# KiCad board imx8x_eps_leviathan.kicad_pcb (continued)
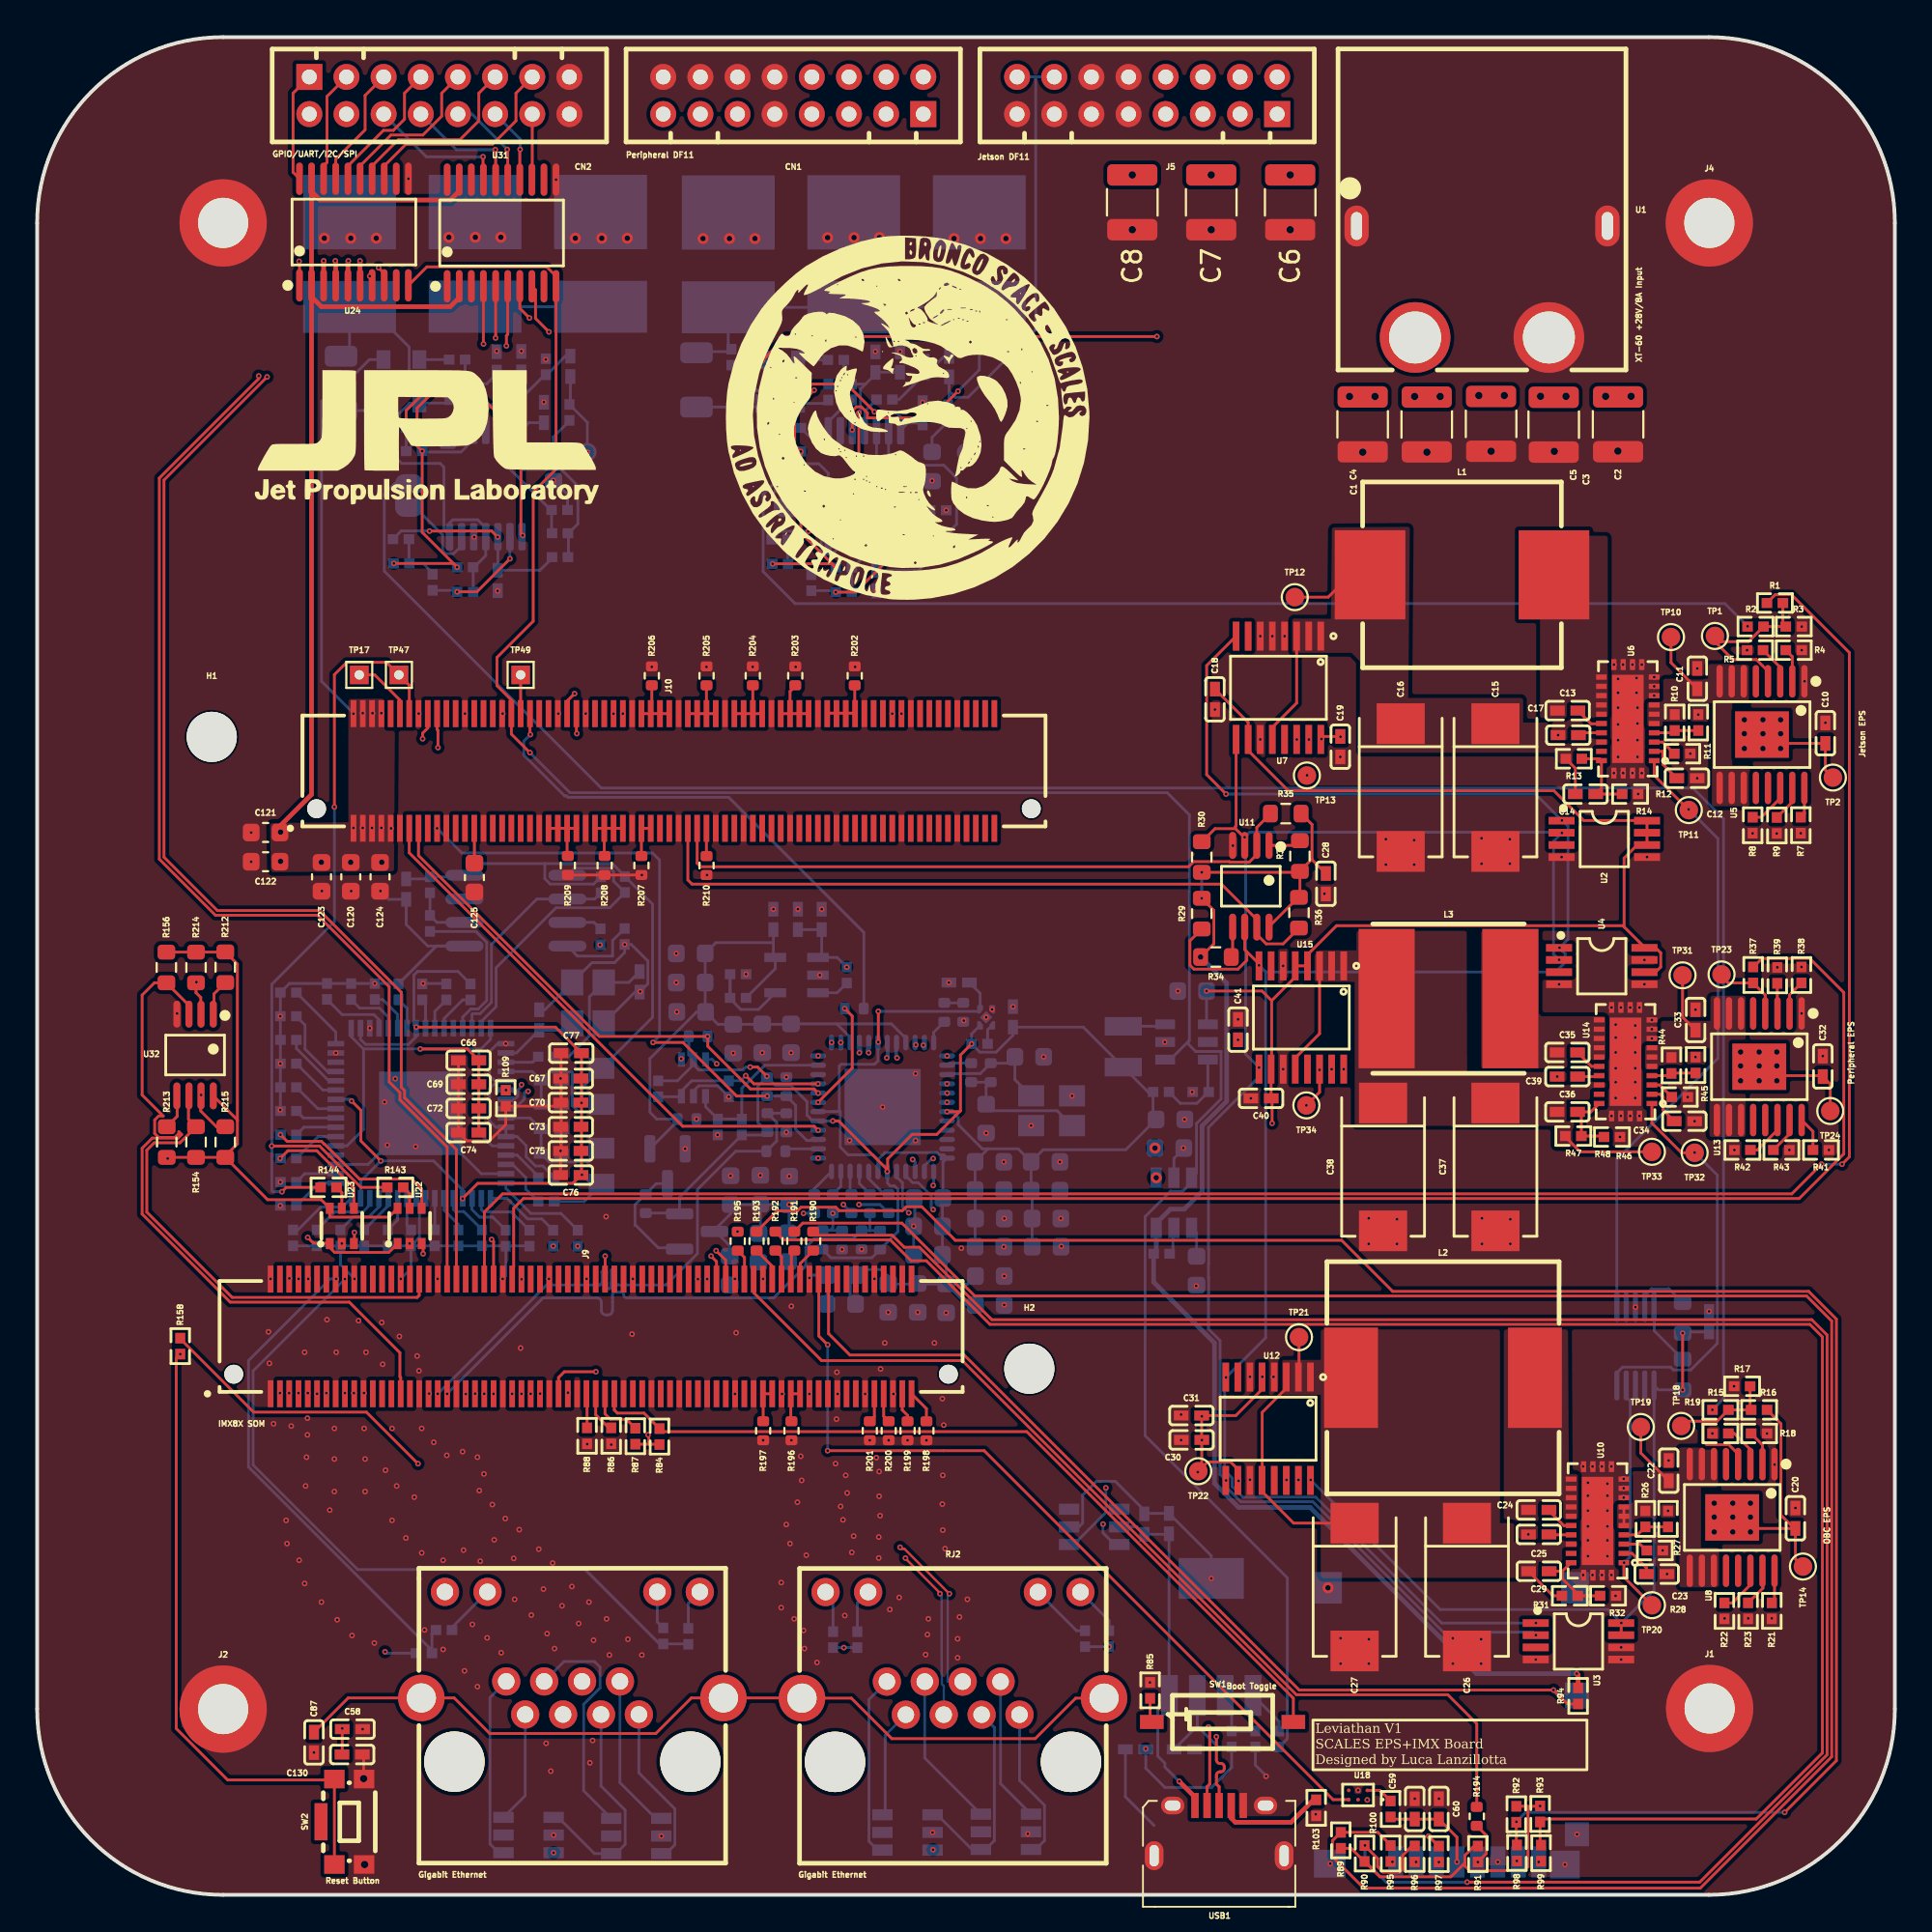
[diagram p0: board, top side]
## Placement (name value [footprint] x y rotation side) (continued)
R192  22  [R_0402_1005Metric]  39.74 35.19 270 top
R193  22  [R_0402_1005Metric]  38.73 35.19 270 top
R194  22  [R_0402_1005Metric]  77.5 4.22 90 top
R195  22  [R_0402_1005Metric]  37.71 35.19 270 top
R196  10k  [R_0402_1005Metric]  40.61 24.98 90 top
R197  10k  [R_0402_1005Metric]  39.08 24.98 90 top
R198  10k  [R_0402_1005Metric]  47.87 24.98 90 top
R199  10k  [R_0402_1005Metric]  46.85 24.98 90 top
R200  10k  [R_0402_1005Metric]  45.84 24.98 90 top
R201  10k  [R_0402_1005Metric]  44.82 24.98 90 top
R202  10k  [R_0402_1005Metric]  44.01 65.62 270 top
R203  10k  [R_0402_1005Metric]  40.81 65.62 270 top
R204  10k  [R_0402_1005Metric]  38.52 65.62 270 top
R205  10k  [R_0402_1005Metric]  36.03 65.62 270 top
R206  10k  [R_0402_1005Metric]  33.09 65.62 270 top
R207  10k  [R_0402_1005Metric]  32.53 55.41 90 top
R208  10k  [R_0402_1005Metric]  30.55 55.41 90 top
R209  10k  [R_0402_1005Metric]  28.57 55.41 90 top
R210  10k  [R_0402_1005Metric]  36.03 55.41 90 top
R211  1k  [R0402]  60.53 34.51 0 bottom
R212  10k  [R_0603_1608Metric]  10.13 49.93 270 top
R213  10k  [R_0603_1608Metric]  6.98 40.52 90 top
R214  10k  [R_0603_1608Metric]  8.55 49.92 270 top
R215  10k  [R_0603_1608Metric]  10.13 40.52 90 top
RJ1  RJHSE5384  [RJ45-TH_RJHSE5384]  28.81 13.01 0 top
RJ2  RJHSE5384  [RJ45-TH_RJHSE5384]  49.3 13 0 top
SW1  SW_DIP_x01  [SW-SMD_1.27-1P-TPPT]  63.81 9.31 270 top
SW2  KMR221GLFS  [KEY-SMD_KMR2XXGXXX]  16.44 3.93 90 top
TP1  TestPoint  [TestPoint_Pad_D1.0mm]  90.32 67.77 0 top
TP2  TestPoint  [TestPoint_Pad_D1.0mm]  96.67 60.14 0 top
TP10  TestPoint  [TestPoint_Pad_D1.0mm]  87.95 67.71 0 top
TP11  TestPoint  [TestPoint_Pad_D1.0mm]  88.91 58.39 0 top
TP12  TestPoint  [TestPoint_Pad_D1.0mm]  67.7 69.86 0 top
TP13  TestPoint  [TestPoint_Pad_D1.0mm]  68.35 60.26 0 top
TP14  TestPoint  [TestPoint_Pad_D1.0mm]  95.05 17.67 270 top
TP17  TestPoint  [TestPoint_THTPad_1.0x1.0mm_Drill0.5mm]  17.34 65.67 0 top
TP18  TestPoint  [TestPoint_Pad_D1.0mm]  88.5 25.24 270 top
TP19  TestPoint  [TestPoint_Pad_D1.0mm]  86.33 25.18 180 top
TP20  TestPoint  [TestPoint_Pad_D1.0mm]  86.93 15.59 180 top
TP21  TestPoint  [TestPoint_Pad_D1.0mm]  67.93 30.02 0 top
TP22  TestPoint  [TestPoint_Pad_D1.0mm]  62.5 22.8 0 top
TP23  TestPoint  [TestPoint_Pad_D1.0mm]  90.67 49.55 0 top
TP24  TestPoint  [TestPoint_Pad_D1.0mm]  96.52 42.2 0 top
TP31  TestPoint  [TestPoint_Pad_D1.0mm]  88.57 49.5 0 top
TP32  TestPoint  [TestPoint_Pad_D1.0mm]  89.22 39.95 0 top
TP33  TestPoint  [TestPoint_Pad_D1.0mm]  86.92 40 0 top
TP34  TestPoint  [TestPoint_Pad_D1.0mm]  68.32 42.5 0 top
TP36  TestPoint  [TestPoint_Pad_D1.0mm]  29.62 77.66 0 bottom
TP42  TestPoint  [TestPoint_Pad_D1.0mm]  50 77.65 0 bottom
TP47  TestPoint  [TestPoint_THTPad_1.0x1.0mm_Drill0.5mm]  19.47 65.67 0 top
TP49  TestPoint  [TestPoint_THTPad_1.0x1.0mm_Drill0.5mm]  26.03 65.67 0 top
TV1  SRV05-4.TCT  [SOT-23-6_L2.9-W1.6-P0.95-LS2.8-BR]  56.9 19.81 180 bottom
TV2  SRV05-4.TCT  [SOT-23-6_L2.9-W1.6-P0.95-LS2.8-BR]  32.25 3.17 0 bottom
TV3  SRV05-4.TCT  [SOT-23-6_L2.9-W1.6-P0.95-LS2.8-BR]  26.45 3.22 0 bottom
TV4  SRV05-4.TCT  [SOT-23-6_L2.9-W1.6-P0.95-LS2.8-BR]  52.15 3.39 0 bottom
TV5  SRV05-4.TCT  [SOT-23-6_L2.9-W1.6-P0.95-LS2.8-BR]  46.85 3.36 0 bottom
U1  XT60PW-F_C428722  [TH_2P-XT60PW-F]  77.78 86.83 0 top
U2  MCP9808T-E/MS  [MSOP-8_L3.0-W3.0-P0.65-LS4.9-BL]  84.36 56.84 270 top
U3  MCP9808T-E/MS  [MSOP-8_L3.0-W3.0-P0.65-LS4.9-BL]  82.97 13.65 270 top
U4  MCP9808T-E/MS  [MSOP-8_L3.0-W3.0-P0.65-LS4.9-BL]  84.22 50 270 top
U5  TPS1HB08BQPWPRQ1  [HTSSOP-16_L5.0-W4.4-P0.65-LS6.4-TL-EP2.9]  92.85 62.46 270 top
U6  LT8612EUDE#PBF  [QFN-28_L6.0-W3.0-P0.50-BL-EP]  85.63 63.3 90 top
U7  INA260AIPWR  [TSSOP-16_L5.0-W4.4-P0.65-LS6.4-BL-1]  66.82 64.98 180 top
U8  TPS1HB08BQPWPRQ1  [HTSSOP-16_L5.0-W4.4-P0.65-LS6.4-TL-EP2.9]  91.24 20.32 270 top
U9  LTC6902  [MSOP-10_L3.0-W3.0-P0.50-LS5.0-BL]  86.04 29.53 180 bottom
U10  LT8612EUDE#PBF  [QFN-28_L6.0-W3.0-P0.50-BL-EP]  83.99 20.13 90 top
U11  TCA4307DGKR  [VSSOP-8_L3.0-W3.0-P0.65-LS4.9-BL]  65.33 54.29 180 top
U12  INA260AIPWR  [TSSOP-16_L5.0-W4.4-P0.65-LS6.4-BL-1]  66.26 25.09 180 top
U13  TPS1HB08BQPWPRQ1  [HTSSOP-16_L5.0-W4.4-P0.65-LS6.4-TL-EP2.9]  92.7 44.58 270 top
U14  LT8612EUDE#PBF  [QFN-28_L6.0-W3.0-P0.50-BL-EP]  85.5 44.85 90 top
U15  INA260AIPWR  [TSSOP-16_L5.0-W4.4-P0.65-LS6.4-BL-1]  68.05 47.23 180 top
U16  TLV1704  [TSSOP-14_4.4x5mm_P0.65mm]  24.15 75.97 270 bottom
U17  TLV1704  [TSSOP-14_4.4x5mm_P0.65mm]  44.54 75.95 270 bottom
U18  BD2204GUL-E2  [BGA-6_L1.5-W1.0-P0.50_BD2204GUL-E2]  71.11 5.37 180 top
U19  CAT93C66VI-GT3  [SOIC-8_L4.9-W3.9-P1.27-LS6.0-BL]  25.77 52.98 270 bottom
U20  FT2232HL  [QFN-64_L9.0-W9.0-P0.50-TL-EP4.3]  20.66 42.07 180 bottom
U21  LP38693MP-ADJ/NOPB  [SOT-223-5_L6.5-W3.5-P1.50-LS7.0-BL]  63.2 13.88 180 bottom
U22  TXS0101DCKR  [SC-70-6_L2.0-W1.3-P0.65-LS2.1-BR]  20.05 36.01 270 top
U23  TXS0101DCKR  [SC-70-6_L2.0-W1.3-P0.65-LS2.1-BR]  16.4 36.01 270 top
U24  TXS0108EPWR  [TSSOP-20_L6.5-W4.4-P0.65-LS6.4-BL]  17.05 89.51 0 top
U25  DP83867CRRGZR  [VQFN-48_L7.0-W7.0-P0.50-BL-EP4.1]  45.51 42.41 0 bottom
U26  MCP1824T-ADJE/OT  [SOT-23-5_L3.0-W1.7-P0.95-LS2.8-BL]  40.88 49.51 270 bottom
U27  TLV71310PDQNR  [X2SON-4_L1.0-W1.0-P0.65-TL-EP]  51.08 47.24 270 bottom
U28  74LVC2G07GW  [SOT-363_L2.1-W1.3-P0.65-LS2.2-BL]  35.33 43.98 180 bottom
U29  TPS22917DBVR  [SOT-23-6_L2.9-W1.6-P0.95-LS2.8-BR]  61.19 37.25 90 bottom
U30  TLV62569PDDCR  [SOT-23-6_L2.9-W1.6-P0.95-LS2.8-BL]  61.87 45.91 90 bottom
U31  TXS0108EPWR  [TSSOP-20_L6.5-W4.4-P0.65-LS6.4-BL]  25 89.46 0 top
U32  TCA4307DGKR  [VSSOP-8_L3.0-W3.0-P0.65-LS4.9-BL]  8.5 45.21 180 top
USB1  10118194-0001LF  [MICRO-USB-SMD_10118194-0001LF]  63.63 3.46 0 top
Y1  12MHz  [CRYSTAL-SMD_4P-L3.2-W2.5-BL]  29.65 48.02 270 bottom
Y3  25MHz  [CRYSTAL-SMD_4P-L3.2-W2.5-BL-2]  54.61 42.21 0 bottom

## Library data of the parts
C1-C8 = -: Description: Unpolarized capacitor; LCSC: C2918502; Voltage Rating: +50v; ki_fp_filters: C_*
C10 C20 C32 = -: Description: Unpolarized capacitor; Voltage Rating: +50v; LCSC: C5159775; ki_fp_filters: C_*
C11 C22 C33 = -: Description: Unpolarized capacitor; Voltage Rating: +50v; LCSC: C77023; ki_fp_filters: C_*
C12 = -: Description: Unpolarized capacitor; LCSC: C14445; Voltage Rating: +10V; ki_fp_filters: C_*
C13 C17-C19 C21 C24 C28-C31 C35 C39-C41 C130 = -: Description: Unpolarized capacitor; Voltage Rating: +50v; LCSC: C85858; ki_fp_filters: C_*
C14 C25 C36 = -: Description: Unpolarized capacitor; Voltage Rating: +50v; LCSC: C1545; ki_fp_filters: C_*
C15 C16 C26 C27 C37 C38 = -: Description: Unpolarized capacitor; Voltage Rating: +35v; LCSC: C87110; ki_fp_filters: C_*
C23 C34 = -: Description: Unpolarized capacitor; LCSC: C1623; Voltage Rating: +25V; ki_fp_filters: C_*
C42-C44 C50-C52 = -: LCSC Part: C2158793
C45-C49 C53 C56 C57 = -: Description: Unpolarized capacitor, small symbol; LCSC: 194427; ki_fp_filters: C_*
C54 C55 = -: Description: Unpolarized capacitor, small symbol; ki_fp_filters: C_*
C58 C63 C64 C69-C75 C77 C79 C81-C86 = -: Description: Unpolarized capacitor; LCSC: C1525; ki_fp_filters: C_*
C59 C60 = -: Description: Unpolarized capacitor; ki_fp_filters: C_*
C61 C62 C66 C67 C76 = -: Description: Unpolarized capacitor; LCSC: C23733; ki_fp_filters: C_*
C65 C68 = -: Description: Unpolarized capacitor; LCSC: C1547; ki_fp_filters: C_*
C78 = -: Description: Unpolarized capacitor; LCSC: C72203; ki_fp_filters: C_*
C80 = -: Description: Unpolarized capacitor; LCSC: C14445; ki_fp_filters: C_*
C87 = -: Description: Unpolarized capacitor; LCSC: C1524; ki_fp_filters: C_*
C88 C89 = -: Description: Unpolarized capacitor, small symbol; LCSC: C1647; Voltage: 50V; ki_fp_filters: C_*
C90 C91 C95-C97 C101 C102 C107 C108 C113 C116 = -: Description: Unpolarized capacitor, small symbol; LCSC: C1592; Voltage: 10V; ki_fp_filters: C_*
C92-C94 C98-C100 C104 C105 C109 C114 C117 C124 = -: Description: Unpolarized capacitor, small symbol; LCSC: C1590; Voltage: 16V; ki_fp_filters: C_*
C103 C110 C112 C118 = -: Description: Unpolarized capacitor, small symbol; LCSC: C1589; Voltage: 50V; ki_fp_filters: C_*
C106 C111 C115 C119 = -: Description: Unpolarized capacitor, small symbol; LCSC: C1691; Voltage: 16V; ki_fp_filters: C_*
C120 C121 = -: Description: Unpolarized capacitor, small symbol; LCSC: C29519229; Voltage: 25V; ki_fp_filters: C_*
C122 C123 = -: Description: Unpolarized capacitor, small symbol; LCSC: C1705; Voltage: 10V; ki_fp_filters: C_*
C125 = -: Description: Unpolarized capacitor, small symbol; LCSC: C1606; ki_fp_filters: C_*
C126 = -: Description: Unpolarized capacitor; LCSC: C1592; ki_fp_filters: C_*
C127 = -: Description: Unpolarized capacitor; LCSC: C140782; ki_fp_filters: C_*
C128 = -: Description: Unpolarized capacitor; LCSC: C1705; ki_fp_filters: C_*
C129 = -: Description: Unpolarized capacitor; LCSC: C1691; ki_fp_filters: C_*
Card1 = -: Datasheet: https://lcsc.com/product-detail/SD-Card-Memory-Card-Connector_MOLEX-5027740891_C330255.html?s_z=n_TF-SMD_5027740891; LCSC Part: C330255
CN1 = -: Datasheet: https://lcsc.com/product-detail/Wire-To-Board-Wire-To-Wire-Connector_HRS-Hirose-HRS-DF11-16DP-2DSA-08_C530981.html; Description: Hirose 2x8 Connector, Drop in replacement for Gecko; LCSC Part: C530981
CN2 = -: Datasheet: https://lcsc.com/product-detail/Wire-To-Board-Wire-To-Wire-Connector_HRS-Hirose-HRS-DF11-16DP-2DSA-08_C530981.html; Description: DF11 Connector; LCSC Part: C530981
D4 D6 D7 D9 = -: Datasheet: https://lcsc.com/product-detail/Others_Diodes-Incorporated_1N4448WS-7-F_Diodes-Incorporated-1N4448WS-7-F_C260859.html; Description: Diode; DPN: 112-1N4151WS-E3-08CT-ND; DST: Digi-Key; MFR: Vishay; MPN: 1N4151WS-E3-08; Sim.Device: D; Sim.Pins: 1=K 2=A; LCSC: C2979762; LCSC Part: C260859
D5 D8 = -: Description: Light emitting diode, small symbol, filled shape; DPN: 732-4971-1-ND; DST: Digi-Key; MFR: Wurth; MPN: 150060GS75000; Sim.Pins: 1=K 2=A; LCSC: C965799; ki_fp_filters: LED* LED_SMD:* LED_THT:*
H1 H2 = -: Description: Mounting Hole without connection; ki_fp_filters: MountingHole*
J1-J4 = -: Description: Mounting Hole with connection; ki_fp_filters: MountingHole*Pad*
J5 = -: Datasheet: https://lcsc.com/product-detail/Wire-To-Board-Wire-To-Wire-Connector_HRS-Hirose-HRS-DF11-16DP-2DSA-08_C530981.html; Description: Hirose 2x8 Connector, Drop in replacement for Gecko; MANUFACTURER: HARWIN; LCSC Part: C530981
J9 J10 = -: Datasheet: https://www.samtec.com/products/bth-070-02-l-d-a-k-tr#cadmodels; Description: IMX8 SOM Connector; PARTREV: R; STANDARD: Manufacturer Recommendations; MANUFACTURER: Samtec
JP1 JP2 = -: Description: Solder Jumper, 2-pole, open; ki_fp_filters: SolderJumper*Open*
L1 = -: Description: Inductor; LCSC: C2880058; ki_fp_filters: Choke_* *Coil* Inductor_* L_*
L2 = -: Description: Inductor; LCSC: C3040409; ki_fp_filters: Choke_* *Coil* Inductor_* L_*
L3 = -: Description: Inductor; LCSC: C2849554; ki_fp_filters: Choke_* *Coil* Inductor_* L_*
L4 L5 = -: Description: Inductor; LCSC: C1017; ki_fp_filters: Choke_* *Coil* Inductor_* L_*
L6 = -: Description: Inductor; LCSC Part: C5349606; ki_fp_filters: Choke_* *Coil* Inductor_* L_*
Q1 = -: Datasheet: https://www.infineon.com/dgdl/irlml6401pbf.pdf?fileId=5546d462533600a401535668b96d2634; Description: -4.3A Id, -12V Vds, 50mOhm Rds, P-Channel HEXFET Power MOSFET, SOT-23; LCSC: C3034; ki_fp_filters: SOT?23*
Q2 = -: Datasheet: https://www.onsemi.com/pub/Collateral/BSS138-D.PDF; Description: 50V Vds, 0.22A Id, N-Channel MOSFET, SOT-23; LCSC: C52895; ki_fp_filters: SOT?23*
R1-R3 R5 R7-R9 R19 R37 R39 R41-R43 = -: Description: Resistor, US symbol; LCSC: C114761; ki_fp_filters: R_*
R4 R18 R38 R58 R60 R76 R78 = -: Description: Resistor, US symbol; LCSC: C106235; ki_fp_filters: R_*
R6 = -: Description: Resistor, US symbol; LCSC: C25764; ki_fp_filters: R_*
R10 R26 R44 = -: Description: Resistor, US symbol; LCSC: C93943; ki_fp_filters: R_*
R11 R27 R45 = -: Description: Resistor, US symbol; LCSC: C60488; ki_fp_filters: R_*
R12 R28 R46 = -: Description: Resistor, US symbol; LCSC: C138065; ki_fp_filters: R_*
R13 = -: Description: Resistor, US symbol; LCSC: C2077051; ki_fp_filters: R_*
R14 R17 R50-R53 R56 R57 R68-R71 R74 R75 = -: Description: Resistor, US symbol; LCSC: C25531; ki_fp_filters: R_*
R15 R16 = -: Description: Resistor, US symbol; LCSC: C54968; ki_fp_filters: R_*
R20 = -: Description: Resistor, US symbol; LCSC: C25741; ki_fp_filters: R_*
R21-R23 = -: Description: Resistor, US symbol; LCSC: C25756; ki_fp_filters: R_*
R24 = -: Description: Resistor, US symbol; LCSC: C2930066; ki_fp_filters: R_*
R25 = -: Description: Resistor, US symbol; LCSC: C137788; ki_fp_filters: R_*
R29 R30 R33-R36 R154 R156 R212-R215 = -: Description: Resistor, US symbol; LCSC: C99782; ki_fp_filters: R_*
R31 = -: Description: Resistor, US symbol; LCSC: C138029; ki_fp_filters: R_*
R32 = -: Description: Resistor, US symbol; LCSC: C60491; ki_fp_filters: R_*
R47 = -: Description: Resistor, US symbol; LCSC: C25766; ki_fp_filters: R_*
R48 = -: Description: Resistor, US symbol; LCSC: C477765; ki_fp_filters: R_*
R49 R66 = -: Description: Resistor, small US symbol; DPN: RHM10.0AFCT-ND; DST: Digi-Key; MFR: Rohm Semiconductor; MPN: ESR18EZPF10R0; LCSC: C17903; ki_fp_filters: R_*
R54 R55 R72 R73 = -: Description: Resistor, US symbol; LCSC: C2909355; ki_fp_filters: R_*
R59 R61 R62 R64 R65 R67 R77 R79 R80 R82 R83 = -: Description: Resistor, US symbol; LCSC: C269673; ki_fp_filters: R_*
R63 R81 = -: Description: Resistor, US symbol; LCSC: C474132; ki_fp_filters: R_*
R84-R88 R90-R94 R102-R107 R110 R112 R115-R127 R130-R146 R148 R149 R151 R159 R161 R165 R169-R174 R176 R177 R179 R185 R188 R196-R211 = -: Description: Resistor, US symbol; ki_fp_filters: R_*
R89 = -: Description: Resistor, US symbol; LCSC: C25897; ki_fp_filters: R_*
R95-R99 R113 R114 R128 R129 R160 R164 R190-R195 = -: Description: Resistor, US symbol; LCSC: C25092; ki_fp_filters: R_*
R100 = -: Description: Resistor, US symbol; LCSC: C2001; ki_fp_filters: R_*
R108 R158 R167 = -: Description: Resistor, US symbol; LCSC: C4109; ki_fp_filters: R_*
R109 = -: Description: Resistor, US symbol; LCSC: C25752; ki_fp_filters: R_*
R111 R163 = -: Description: Resistor, US symbol; LCSC: C2011; ki_fp_filters: R_*
R147 = -: Description: Resistor, US symbol; LCSC: C25857; ki_fp_filters: R_*
R150 R153 R162 R166 R180-R182 R184 R187 = -: Description: Resistor, US symbol; LCSC: C25884; ki_fp_filters: R_*
R152 R183 R186 = -: Description: Resistor, US symbol; LCSC: C11590; ki_fp_filters: R_*
R155 = -: Description: Resistor, US symbol; LCSC: C95596; ki_fp_filters: R_*
R157 = -: Description: Resistor, US symbol; LCSC: C11788; ki_fp_filters: R_*
R168 = -: Description: Resistor, US symbol; LCSC: C26083; ki_fp_filters: R_*
R175 = -: Description: Resistor, US symbol; LCSC: C25076; ki_fp_filters: R_*
R189 = -: Description: Resistor, US symbol; LCSC: C25539; ki_fp_filters: R_*
RJ1 RJ2 = -: Datasheet: https://jlcpcb.com/partdetail/AmphenolIcc-RJHSE5384/C464587; LCSC Part: C464587
SW1 = -: Description: 1x DIP Switch, Single Pole Single Throw (SPST) switch, small symbol; LCSC: C7471372; ki_fp_filters: SW?DIP?x1*
SW2 = -: Datasheet: https://lcsc.com/product-detail/Others_C-K-KMR221GLFS_C72443.html; LCSC Part: C72443
TP1 TP2 TP10-TP14 TP17-TP24 TP31-TP34 TP36 TP42 TP47 TP49 = -: Description: test point; ki_fp_filters: Pin* Test*
TV1-TV5 = -: Datasheet: https://lcsc.com/product-detail/TVS_SEMTECH_SRV05-4-TCT_SRV05-4-TCT_C13612.html; Description: Surge Protection Diodes; LCSC Part: C13612
U1 = -: LCSC Part: C428722
U2-U4 = -: Datasheet: https://lcsc.com/product-detail/Temperature-Sensors_MICROCHIP_MCP9808T-E-MS_MCP9808T-E-MS_C129490.html; LCSC Part: C129490
U5 U8 U13 = -: Datasheet: https://www.ti.com/lit/ds/symlink/tps1ha08-q1.pdf?ts=1748448912035&ref_url=https%253A%252F%252Fwww.ti.com%252Fproduct%252FTPS1HA08-Q1; Description: 40-V, 8-mΩ Single-Channel Smart High-Side Switch; LCSC Part: C3230075
U6 U10 U14 = -: Datasheet: https://jlcpcb.com/api/file/downloadByFileSystemAccessId/8589836477510287360; Description: 42V, 6A, Step Down Regulator; LCSC Part: C580312
U7 U12 U15 = -: Datasheet: https://www.ti.com/lit/ds/symlink/ina260.pdf?ts=1748375218606&ref_url=https%253A%252F%252Fwww.google.com%252F; Description: Precision Digital Current and Power Monitor With Low-Drift, Precision Integrated Shunt; LCSC Part: C2155885
U9 = -: Datasheet: https://www.analog.com/media/en/technical-documentation/data-sheets/6902f.pdf; Description: Multiphase Oscillator with Spread Spectrum Frequency Modulation; LCSC: C581012; LCSC Part: C581014
U11 U32 = -: Datasheet: https://www.ti.com/general/docs/suppproductinfo.tsp?distId=10&gotoUrl=https%3A%2F%2Fwww.ti.com%2Flit%2Fgpn%2Ftca4307; Description: I2C Buffer; LCSC Part: C880333
U16 U17 = -: Datasheet: https://www.ti.com/lit/ds/symlink/tlv1704-sep.pdf; Description: Analog Comparators 2.2-V to 36-V, radiation tolerant microPower quad comparator in space enhanced plastic 14-TSSOP -55 to 125; MFR: Texas Instruments; MPN: TLV1704AQPWRQ1; DST: Digi-Key; DPN: 296-43799-2-ND; LCSC: C181596; ki_fp_filters: SOIC*3.9x8.7mm*P1.27mm* TSSOP*4.4x5mm*P0.65mm*
U18 = -: Datasheet: https://lcsc.com/product-detail/Power-Distribution-Switches_ROHM-Semicon-BD2204GUL-E2_C314699.html?s_z=n_BD2204GUL-E2; LCSC Part: C314699
U19 = -: Datasheet: https://jlcpcb.com/parts/componentSearch?searchTxt=C890471; LCSC Part: C890471
U20 = -: Datasheet: https://lcsc.com/product-detail/USB_FTDI_FT2232HL_FT2232HL_C27882.html; LCSC Part: C193662
U21 = -: Datasheet: https://lcsc.com/product-detail/Linear-Voltage-Regulators_TI_LP38693MP-ADJ-NOPB_LP38693MP-ADJ-NOPB_C181420.html; LCSC Part: C181420
U22 U23 = -: Datasheet: https://lcsc.com/product-detail/Logic-ICs_TI_TXS0101DCKR_TXS0101DCKR_C132031.html; Description: 1-Bit Bidirectional Level-Shifting, Voltage-Level Translator With Auto-Direction-Sensing for Open-Drain and Push-Pull Applications; LCSC Part: C132031
U24 U31 = -: Datasheet: https://lcsc.com/product-detail/Interface-ICs_TI_TXS0108EPWR_TXS0108EPWR_C17206.html; LCSC Part: C17206
U25 = -: Datasheet: https://www.ti.com/cn/lit/ds/symlink/dp83867ir.pdf?ts=1748027510532&ref_url=https%253A%252F%252Fjlcpcb.com%252F; LCSC Part: C544766
U26 = -: Datasheet: https://lcsc.com/product-detail/Low-Dropout-Regulators-LDO_MICROCHIP_MCP1824T-ADJE-OT_MCP1824T-ADJE-OT_C145717.html; LCSC Part: C145717
U27 = -: Datasheet: https://www.lcsc.com/product-detail/C2872754.html?s_z=n_C2872754; Description: 65dB Positive Fixed 1V X2-SON-4-EP(1x1) Voltage Regulators - Linear, Low Drop Out (LDO) Regulators ROHS; LCSC Part: C2872754
U28 = -: Datasheet: https://jlcpcb.com/api/file/downloadByFileSystemAccessId/8603378044489261056; LCSC Part: C19829574
U29 = -: Datasheet: https://www.ti.com/lit/ds/symlink/tps22917.pdf?HQS=dis-dk-null-digikeymode-dsf-pf-null-wwe&ts=1761533266122&ref_url=https%253A%252F%252Fwww.ti.com%252Fgeneral%252Fdocs%252Fsuppproductinfo.tsp%253FdistId%253D10%2526gotoUrl%253Dhttps%253A%252F%252Fwww.ti.com%252Flit%252Fgpn%252Ftps22917; LCSC Part: C2681320
U30 = -: Datasheet: https://lcsc.com/product-detail/Pre-ordered-Chips_Texas-Instruments-Texas-Instruments-TLV62569PDDCR_C398365.html; LCSC Part: C398365
USB1 = -: Datasheet: https://lcsc.com/product-detail/USB-Connectors_Amphenol_10118194-0001LF_10118194-0001LF_C132563.html; LCSC Part: C132563
Y1 = -: Description: Four pin crystal, GND on pins 2 and 4; LCSC Part: C9002; ki_fp_filters: Crystal*
Y3 = -: Description: Four pin crystal, GND on pins 2 and 4; LCSC: C13740; ki_fp_filters: Crystal*

## Footprints (pads in the part's own frame, mm; a bottom-side part is the same pattern mirrored in y, then rotated)
BGA-6_L1.5-W1.0-P0.50_BD2204GUL-E2
  round 0.2 smd: A1(-0.5,0.25) A2(0,0.25) A3(0.5,0.25) B1(-0.5,-0.25) B2(0,-0.25) B3(0.5,-0.25)
C0402
  rect 0.79x0.54 smd: 1(-0.55,0) 2(0.55,0)
C_0603_1608Metric
  rrect 0.9x0.95 smd: 1(-0.775,0) 2(0.775,0)
C_1210_3225Metric
  rrect 1.15x2.7 smd: 1(-1.475,0) 2(1.475,0)
CAP-SMD_L7.3-W4.3-FD
  rect 2.19x2.59 smd: 1(-3.44,0) 2(3.44,0)
CAP-SMD_L7.3-W6.1_TCN4227M025R0100
  rect 2.8x5 smd: 1(-2.55,0)
  rect 4x5 smd: 2(2.55,0)
CONN-TH_DF11-16DP-2DSA-08
  rect 1.4x1.4 hole 0.8: 1(7,-1)
  round 1.4 hole 0.8: 2(7,1) 3(5,-1) 4(5,1) 5(3,-1) 6(3,1) 7(1,-1) 8(1,1) 9(-1,-1) 10(-1,1) 11(-3,-1) 12(-3,1) 13(-5,-1) 14(-5,1) 15(-7,-1) 16(-7,1)
CRYSTAL-SMD_4P-L3.2-W2.5-BL
  rect 1.4x1.2 smd: 1(-1.1,-0.85) 2(1.1,-0.85) 3(1.1,0.85) 4(-1.1,0.85)
CRYSTAL-SMD_4P-L3.2-W2.5-BL-2
  rect 1.4x1.15 smd: 1(-1.1,-0.8) 2(1.1,-0.8) 3(1.1,0.8) 4(-1.1,0.8)
HTSSOP-16_L5.0-W4.4-P0.65-LS6.4-TL-EP2.9
  oval 1.75x0.34 smd: 1(-2.87,2.28) 2(-2.87,1.63) 3(-2.87,0.98) 4(-2.87,0.32) 5(-2.87,-0.33) 6(-2.87,-0.98) 6(-2.87,-1.63) 6(-2.87,-2.28) 6(2.87,-0.98) 6(2.87,-1.63) 6(2.87,-2.28) 12(2.87,-0.33) 13(2.87,0.32) 14(2.87,0.98) 15(2.87,1.63) 16(2.87,2.28)
  rect 2.5x2.9 smd: 17(0,0)
IND-SMD_FTKB1207-6R1NT
  rect 2.9x5.4 smd: 1(-4.95,0) 2(4.95,0)
IND-SMD_L2.5-W2.0_YXMBL252010P
  rect 1x2 smd: 1(1.1,0) 2(-1.1,0)
IND-SMD_L8.0-W8.0
  rect 3.02x7.5 smd: 1(3.33,0) 2(-3.33,0)
IND-SMD_L10.7-W10.0_ETQP5MXXXX
  rect 3.8x4.8 smd: 1(-4.95,0) 2(4.95,0)
KEY-SMD_KMR2XXGXXX
  rect 1x1.1 smd: 1(-2.3,0.44) 2(2.3,0.44) 3(-2.3,-1.16) 4(2.3,-1.16)
  rect 2x0.7 smd: 5(0,1.16)
L0805
  rect 1.13x1.38 smd: 1(-0.97,0) 2(0.97,0)
LED_0603_1608Metric
  rrect 0.875x0.95 smd: 1(-0.787,0) 2(0.787,0)
MICRO-USB-SMD_10118194-0001LF
  rect 0.4x1.35 smd: 1(-1.3,1.35) 2(-0.65,1.35) 3(0,1.35) 4(0.65,1.35) 5(1.3,1.35)
  oval 1x1.55 hole 0.5x1.15: 6(-3.5,-1.35) 6(3.5,-1.35)
  oval 1.25x0.95 hole 0.85x0.55: 6(-2.5,1.35) 6(2.5,1.35)
MountingHole_2.7mm_M2.5
  round 2.7 hole 2.7 unplated: (0,0)
MountingHole_2.7mm_M2.5_DIN965_Pad
  round 4.7 hole 2.7: 1(0,0)
MSOP-8_L3.0-W3.0-P0.65-LS4.9-BL
  rect 0.41x1.4 smd: 1(-0.98,-2.3) 2(-0.33,-2.3) 3(0.33,-2.3) 4(0.98,-2.3) 5(0.98,2.3) 6(0.33,2.3) 7(-0.33,2.3) 8(-0.98,2.3)
MSOP-10_L3.0-W3.0-P0.50-LS5.0-BL
  oval 0.28x1.62 smd: 1(-1,-2.11) 2(-0.5,-2.11) 3(0,-2.11) 4(0.5,-2.11) 5(1,-2.11) 6(1,2.11) 7(0.5,2.11) 8(0,2.11) 9(-0.5,2.11) 10(-1,2.11)
QFN-28_L6.0-W3.0-P0.50-BL-EP
  rect 0.28x0.58 smd: 1(-2.25,-1.42) 2(-1.75,-1.42) 3(-1.25,-1.42) 4(-0.75,-1.42) 5(-0.25,-1.42) 5(0.25,-1.42) 5(0.75,-1.42) 8(1.25,-1.42) 8(1.75,-1.42) 8(2.25,-1.42) 15(0.25,1.42) 15(0.75,1.42) 15(1.25,1.42) 15(1.75,1.42) 15(2.25,1.42) 20(-0.25,1.42) 21(-0.75,1.42) 22(-1.25,1.42) 23(-1.75,1.42) 24(-2.25,1.42)
  rect 4.75x1.7 smd: 11(0,0)
  rect 0.58x0.28 smd: 11(2.92,0.75) 11(2.92,0.25) 11(2.92,-0.25) 11(2.92,-0.75) 25(-2.92,0.75) 25(-2.92,0.25) 25(-2.92,-0.25) 25(-2.92,-0.75)
QFN-64_L9.0-W9.0-P0.50-TL-EP4.3
  rect 0.9x0.3 smd: 1(-4.58,3.75) 2(-4.58,3.25) 3(-4.58,2.75) 4(-4.58,2.25) 5(-4.58,1.75) 6(-4.58,1.25) 7(-4.58,0.75) 8(-4.58,0.25) 9(-4.58,-0.25) 10(-4.58,-0.75) 11(-4.58,-1.25) 12(-4.58,-1.75) 13(-4.58,-2.25) 14(-4.58,-2.75) 15(-4.58,-3.25) 16(-4.58,-3.75) 33(4.58,-3.75) 34(4.58,-3.25) 35(4.58,-2.75) 36(4.58,-2.25) 37(4.58,-1.75) 38(4.58,-1.25) 39(4.58,-0.75) 40(4.58,-0.25) 41(4.58,0.25) 42(4.58,0.75) 43(4.58,1.25) 44(4.58,1.75) 45(4.58,2.25) 46(4.58,2.75) 47(4.58,3.25) 48(4.58,3.75)
  rect 0.3x0.9 smd: 17(-3.75,-4.58) 18(-3.25,-4.58) 19(-2.75,-4.58) 20(-2.25,-4.58) 21(-1.75,-4.58) 22(-1.25,-4.58) 23(-0.75,-4.58) 24(-0.25,-4.58) 25(0.25,-4.58) 26(0.75,-4.58) 27(1.25,-4.58) 28(1.75,-4.58) 29(2.25,-4.58) 30(2.75,-4.58) 31(3.25,-4.58) 32(3.75,-4.58) 49(3.75,4.58) 50(3.25,4.58) 51(2.75,4.58) 52(2.25,4.58) 53(1.75,4.58) 54(1.25,4.58) 55(0.75,4.58) 56(0.25,4.58) 57(-0.25,4.58) 58(-0.75,4.58) 59(-1.25,4.58) 60(-1.75,4.58) 61(-2.25,4.58) 62(-2.75,4.58) 63(-3.25,4.58) 64(-3.75,4.58)
  rect 4.5x4.5 smd: 65(0,0)
R0402
  rect 0.57x0.54 smd: 1(-0.43,0) 2(0.43,0)
R_0402_1005Metric
  rrect 0.54x0.64 smd: 1(-0.51,0) 2(0.51,0)
R_0603_1608Metric
  rrect 0.8x0.95 smd: 1(-0.825,0) 2(0.825,0)
R_1206_3216Metric
  rrect 1.125x1.75 smd: 1(-1.462,0) 2(1.462,0)
RJ45-TH_RJHSE5384
  round 3.25 hole 3.25: (-6.35,-5.84) (6.35,-5.84)
  round 1.52 hole 0.89: 1(3.58,-3.3) 2(2.56,-1.52) 3(1.54,-3.3) 4(0.52,-1.52) 5(-0.5,-3.3) 6(-1.52,-1.52) 7(-2.54,-3.3) 8(-3.56,-1.52) 9(6.86,3.3) 10(4.57,3.3) 11(-4.57,3.3) 12(-6.86,3.3)
  round 2.5 hole 1.57: 13(-8.13,-2.41) 14(8.13,-2.41)
SAMTEC_BTH-070-02-L-D-A
  round 1.016 hole 1.016 unplated: (-1.986,-4.946) (36.486,-4.946)
  rect 0.305x1.45 smd: 01(34.5,0.172) 02(34.5,-6) 03(34,0.172) 04(34,-6) 05(33.5,0.172) 06(33.5,-6) 07(33,0.172) 08(33,-6) 09(32.5,0.172) 10(32.5,-6) 11(32,0.172) 12(32,-6) 13(31.5,0.172) 14(31.5,-6) 15(31,0.172) 16(31,-6) 17(30.5,0.172) 18(30.5,-6) 19(30,0.172) 20(30,-6) 21(29.5,0.172) 22(29.5,-6) 23(29,0.172) 24(29,-6) 25(28.5,0.172) 26(28.5,-6) 27(28,0.172) 28(28,-6) 29(27.5,0.172) 30(27.5,-6) 31(27,0.172) 32(27,-6) 33(26.5,0.172) 34(26.5,-6) 35(26,0.172) 36(26,-6) 37(25.5,0.172) 38(25.5,-6) 39(25,0.172) 40(25,-6) 41(24.5,0.172) 42(24.5,-6) 43(24,0.172) 44(24,-6) 45(23.5,0.172) 46(23.5,-6) 47(23,0.172) 48(23,-6) 49(22.5,0.172) 50(22.5,-6) 51(22,0.172) 52(22,-6) 53(21.5,0.172) 54(21.5,-6) 55(21,0.172) 56(21,-6) 57(20.5,0.172) 58(20.5,-6) 59(20,0.172) 60(20,-6) 61(19.5,0.172) 62(19.5,-6) 63(19,0.172) 64(19,-6) 65(18.5,0.172) 66(18.5,-6) 67(18,0.172) 68(18,-6) 69(17.5,0.172) 70(17.5,-6) 71(17,0.172) 72(17,-6) 73(16.5,0.172) 74(16.5,-6) 75(16,0.172) 76(16,-6) 77(15.5,0.172) 78(15.5,-6) 79(15,0.172) 80(15,-6) 81(14.5,0.172) 82(14.5,-6) 83(14,0.172) 84(14,-6) 85(13.5,0.172) 86(13.5,-6) 87(13,0.172) 88(13,-6) 89(12.5,0.172) 90(12.5,-6) 91(12,0.172) 92(12,-6) 93(11.5,0.172) 94(11.5,-6) 95(11,0.172) 96(11,-6) 97(10.5,0.172) 98(10.5,-6) 99(10,0.172) 100(10,-6) 101(9.5,0.172) 102(9.5,-6) 103(9,0.172) 104(9,-6) 105(8.5,0.172) 106(8.5,-6) 107(8,0.172) 108(8,-6) 109(7.5,0.172) 110(7.5,-6) 111(7,0.172) 112(7,-6) 113(6.5,0.172) 114(6.5,-6) 115(6,0.172) 116(6,-6) 117(5.5,0.172) 118(5.5,-6) 119(5,0.172) 120(5,-6) 121(4.5,0.172) 122(4.5,-6) 123(4,0.172) 124(4,-6) 125(3.5,0.172) 126(3.5,-6) 127(3,0.172) 128(3,-6) 129(2.5,0.172) 130(2.5,-6) 131(2,0.172) 132(2,-6) 133(1.5,0.172) 134(1.5,-6) 135(1,0.172) 136(1,-6) 137(0.5,0.172) 138(0.5,-6) 139(0,0.172) 140(0,-6)
SC-70-6_L2.0-W1.3-P0.65-LS2.1-BR
  rect 0.6x0.42 smd: 1(0.95,-0.65) 2(0.95,0) 3(0.95,0.65) 4(-0.95,0.65) 5(-0.95,0) 6(-0.95,-0.65)
SOD-323_L1.8-W1.3-LS2.5-RD
  rect 1x0.75 smd: 1(-1.17,0) 2(1.17,0)
SOIC-8_L4.9-W3.9-P1.27-LS6.0-BL
  oval 0.59x2.05 smd: 1(-1.91,-2.77) 2(-0.63,-2.77) 3(0.63,-2.77) 4(1.9,-2.77) 5(1.9,2.77) 6(0.63,2.77) 7(-0.63,2.77) 8(-1.91,2.77)
SolderJumper-2_P1.3mm_Open_RoundedPad1.0x1.5mm
  custom 1x1.5 smd: 1(-0.65,0) 2(0.65,0)
SOT-23
  rrect 1.475x0.6 smd: 1(-0.938,0.95) 2(-0.938,-0.95) 3(0.938,0)
SOT-23-5_L3.0-W1.7-P0.95-LS2.8-BL
  rect 0.49x1.16 smd: 1(-0.95,-1.15) 2(0,-1.15) 3(0.95,-1.15)
  rect 0.49x1.18 smd: 4(0.95,1.15) 5(-0.95,1.15)
SOT-23-6_L2.9-W1.6-P0.95-LS2.8-BL
  rect 0.53x1.07 smd: 1(-0.95,-1.15) 2(0,-1.15) 3(0.95,-1.15) 4(0.95,1.15) 5(0,1.15) 6(-0.95,1.15)
SOT-23-6_L2.9-W1.6-P0.95-LS2.8-BR
  rect 1.1x0.6 smd: 1(1.35,-0.95) 2(1.35,0) 3(1.35,0.95) 4(-1.35,0.95) 5(-1.35,0) 6(-1.35,-0.95)
SOT-223-5_L6.5-W3.5-P1.50-LS7.0-BL
  rect 0.9x2.2 smd: 1(-2.25,-3.15) 2(-0.75,-3.15) 3(0.75,-3.15) 4(2.25,-3.15)
  rect 3.5x2.2 smd: 5(0,3.15)
SOT-363_L2.1-W1.3-P0.65-LS2.2-BL
  rect 0.38x0.78 smd: 1(-0.65,-0.99) 2(0,-0.99) 3(0.65,-0.99) 4(0.65,0.99) 5(0,0.99) 6(-0.65,0.99)
SW-SMD_1.27-1P-TPPT
  rect 0.76x1.27 smd: 1(0,-3.81) 2(0,3.81)
TestPoint_Pad_D1.0mm
  round 1 smd: 1(0,0)
TestPoint_THTPad_1.0x1.0mm_Drill0.5mm
  rect 1x1 hole 0.5: 1(0,0)
TF-SMD_5027740891
  rect 0.8x1.68 smd: 1(3.06,-7.31) 2(1.96,-7.31) 3(0.86,-7.31) 4(-0.24,-7.31) 5(-1.34,-7.31) 6(-2.44,-7.31) 7(-3.54,-7.31) 8(-4.64,-7.31)
  rect 1.29x1.4 smd: 9(-6.7,1.65)
  rect 1.29x1.3 smd: 10(-6.7,-5.82)
  rect 1.6x1.5 smd: 11(-6.05,-7.45)
  rect 1.7x1.5 smd: 12(6.61,-7.4)
  rect 1.5x1.7 smd: 13(6.7,7.45) 14(-6.59,7.45)
TH_2P-XT60PW-F
  oval 1.3x2.2 hole 0.6x1.5: 1(-6.75,3) 2(6.75,3)
  round 3.8 hole 2.8: 3(-3.6,-3) 4(3.6,-3)
TSSOP-14_4.4x5mm_P0.65mm
  rrect 1.475x0.4 smd: 1(-2.862,1.95) 2(-2.862,1.3) 3(-2.862,0.65) 4(-2.862,0) 5(-2.862,-0.65) 6(-2.862,-1.3) 7(-2.862,-1.95) 8(2.862,-1.95) 9(2.862,-1.3) 10(2.862,-0.65) 11(2.862,0) 12(2.862,0.65) 13(2.862,1.3) 14(2.862,1.95)
TSSOP-16_L5.0-W4.4-P0.65-LS6.4-BL-1
  rect 0.36x1.56 smd: 1(-2.28,-2.78) 1(-1.63,-2.78) 1(-0.98,-2.78) 4(-0.33,-2.78) 5(0.33,-2.78) 6(0.98,2.78) 6(0.98,-2.78) 7(1.63,-2.78) 8(2.28,-2.78) 9(2.28,2.78) 10(1.63,2.78) 12(0.33,2.78) 13(-0.33,2.78) 14(-2.28,2.78) 14(-1.63,2.78) 14(-0.98,2.78)
TSSOP-20_L6.5-W4.4-P0.65-LS6.4-BL
  oval 0.36x1.74 smd: 1(-2.93,-2.87) 2(-2.28,-2.87) 3(-1.63,-2.87) 4(-0.98,-2.87) 5(-0.32,-2.87) 6(0.33,-2.87) 7(0.98,-2.87) 8(1.63,-2.87) 9(2.28,-2.87) 10(2.93,-2.87) 11(2.93,2.87) 12(2.28,2.87) 13(1.63,2.87) 14(0.98,2.87) 15(0.33,2.87) 16(-0.32,2.87) 17(-0.98,2.87) 18(-1.63,2.87) 19(-2.28,2.87) 20(-2.93,2.87)
VQFN-48_L7.0-W7.0-P0.50-BL-EP4.1
  oval 0.28x0.85 smd: 1(-2.75,-3.47) 2(-2.25,-3.47) 3(-1.75,-3.47) 4(-1.25,-3.47) 5(-0.75,-3.47) 6(-0.25,-3.47) 7(0.25,-3.47) 8(0.75,-3.47) 9(1.25,-3.47) 10(1.75,-3.47) 11(2.25,-3.47) 12(2.75,-3.47) 25(2.75,3.47) 26(2.25,3.47) 27(1.75,3.47) 28(1.25,3.47) 29(0.75,3.47) 30(0.25,3.47) 31(-0.25,3.47) 32(-0.75,3.47) 33(-1.25,3.47) 34(-1.75,3.47) 35(-2.25,3.47) 36(-2.75,3.47)
  oval 0.85x0.28 smd: 13(3.47,-2.75) 14(3.47,-2.25) 15(3.47,-1.75) 16(3.47,-1.25) 17(3.47,-0.75) 18(3.47,-0.25) 19(3.47,0.25) 20(3.47,0.75) 21(3.47,1.25) 22(3.47,1.75) 23(3.47,2.25) 24(3.47,2.75) 37(-3.47,2.75) 38(-3.47,2.25) 39(-3.47,1.75) 40(-3.47,1.25) 41(-3.47,0.75) 42(-3.47,0.25) 43(-3.47,-0.25) 44(-3.47,-0.75) 45(-3.47,-1.25) 46(-3.47,-1.75) 47(-3.47,-2.25) 48(-3.47,-2.75)
  rect 4.1x4.1 smd: 49(0,0)
VSSOP-8_L3.0-W3.0-P0.65-LS4.9-BL
  oval 0.38x1.45 smd: 1(-0.98,-2.2) 2(-0.32,-2.2) 3(0.33,-2.2) 4(0.98,-2.2) 5(0.98,2.2) 6(0.33,2.2) 7(-0.32,2.2) 8(-0.98,2.2)
X2SON-4_L1.0-W1.0-P0.65-TL-EP
  custom 0.46x0.32 smd: 1(-0.43,0.32) 2(-0.43,-0.32) 3(0.43,-0.32) 4(0.43,0.32)
  rect 0.48x0.48 smd rot 135: 5(0,0)

## Nets
1V8_FTDI: C66.2 C69.2 C72.2 C74.2 U20.12 U20.37 U20.49 U20.64
3V3_FTDI: C67.2 C70.2 C71.2 C73.2 C75.2 C76.2 C77.2 C80.2 C81.2 L4.1 L5.1 R104.2 R106.2 R107.2 R112.2 R142.1 R147.1 U19.8 U20.20 U20.31 U20.42 U20.50 U20.56 U21.3
+1.8V_OBC_Perif: C84.1 C92.1 C95.1 C98.1 C101.1 C104.1 C108.1 C110.1 C111.1 C129.1 L6.2 Q1.2 R6.1 R149.1 R151.1 R152.1 R167.2 R179.1 R181.1 R183.1 R185.1 R186.1 U25.19 U25.30 U25.41 U27.4 U28.5
+3.3V_OBC: C18.1 C21.1 C30.1 C31.1 C40.1 C120.1 C121.1 C122.1 C123.1 C124.1 C126.1 C128.1 D4.2 J10.132 J10.133 J10.134 J10.135 J10.136 J10.137 J10.138 J10.139 J10.140 R24.1 R25.1 R102.2 R158.1 TP22.1 U2.6 U2.7 U2.8 U3.7 U3.8 U4.6 U4.8 U7.10 U9.1 U12.5 U12.10 U12.14 U15.4 U15.5 U15.10 U24.2 U24.19 U29.1 U30.4 U31.2 U31.19
+3.3V_OBC_Perif: C28.1 C58.2 C82.1 C83.1 C130.1 R29.1 R30.1 R33.1 R34.1 R35.1 R36.1 R94.2 R148.1 R154.1 R156.1 R161.2 R162.1 R165.2 R166.1 R211.1 R212.1 R213.1 R214.1 R215.1 RJ1.10 RJ1.12 RJ2.10 RJ2.12 U11.8 U18.A1 U22.6 U23.6 U26.1 U29.6 U32.8
+5V_Perif: C41.1 CN1.1 CN1.2 CN1.3 CN1.4 CN1.5 CN1.6 CN1.7 CN1.8 TP34.1 U15.14
+20V_Jetson: C6.1 C7.1 C8.1 C19.1 D7.2 J5.1 J5.2 J5.3 J5.4 J5.5 J5.6 J5.7 J5.8 TP13.1 U7.14
